# KiCad board mtt_final.kicad_pcb
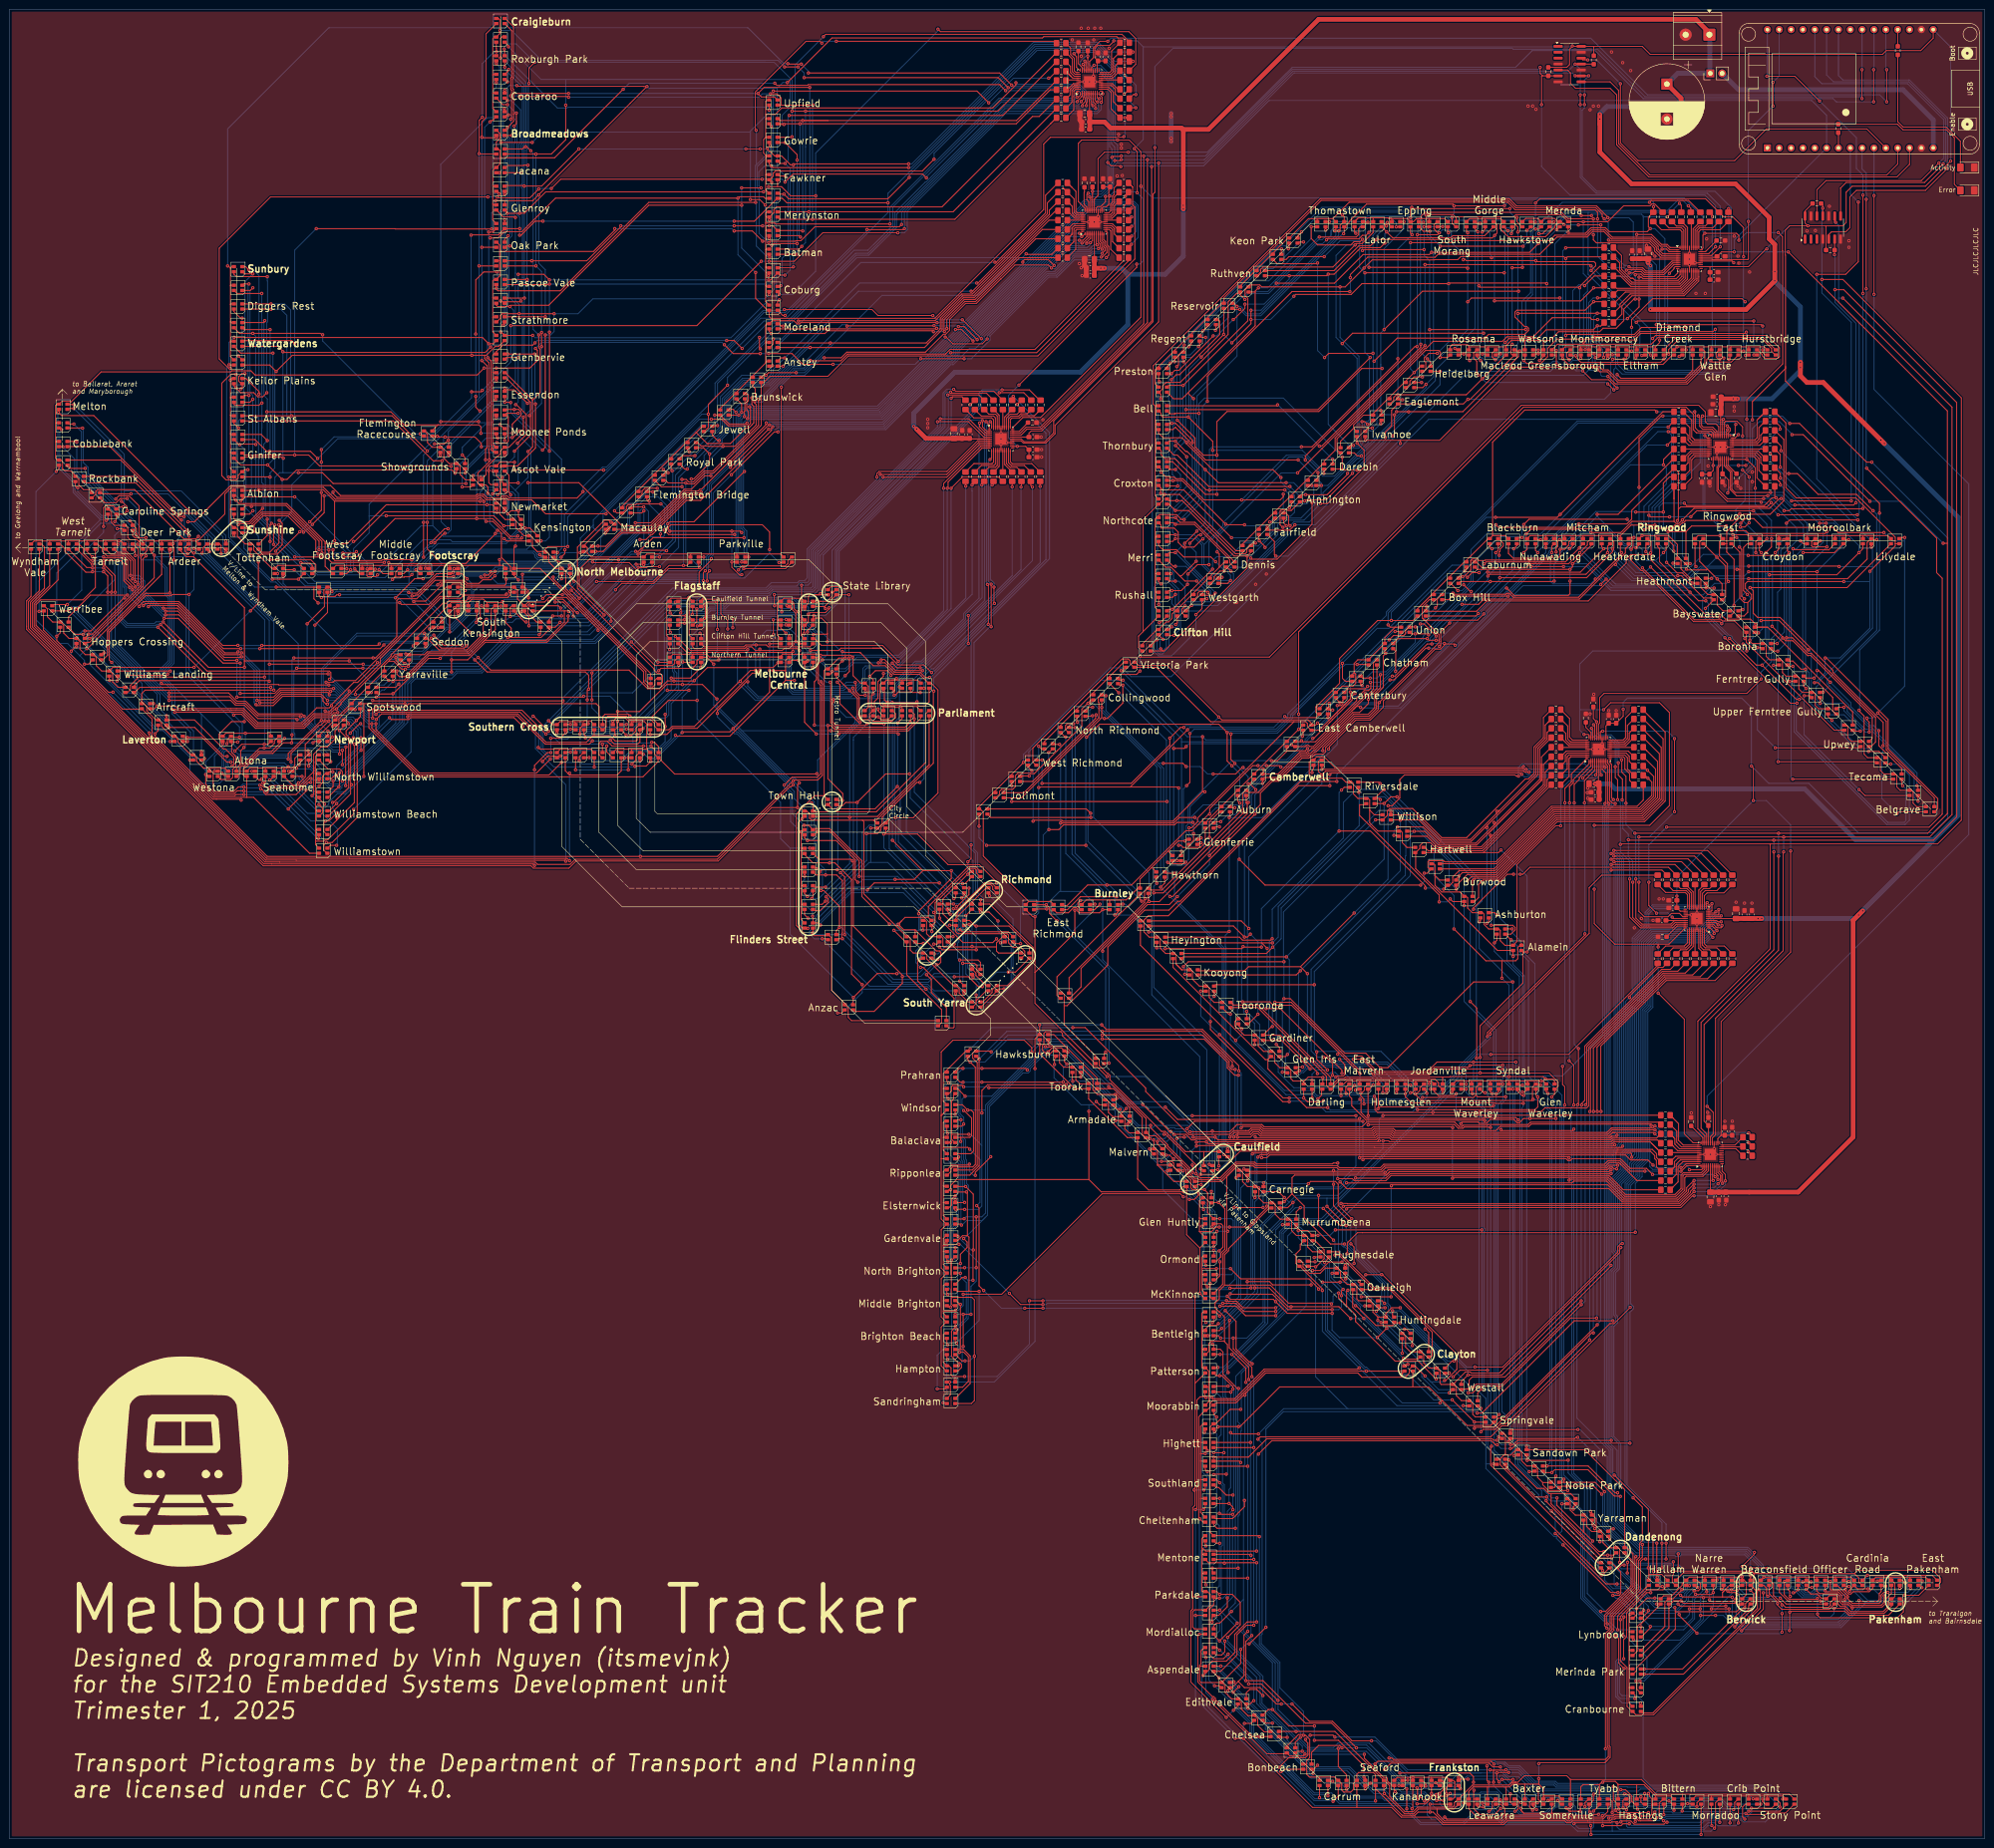
[diagram p0: board, top side]
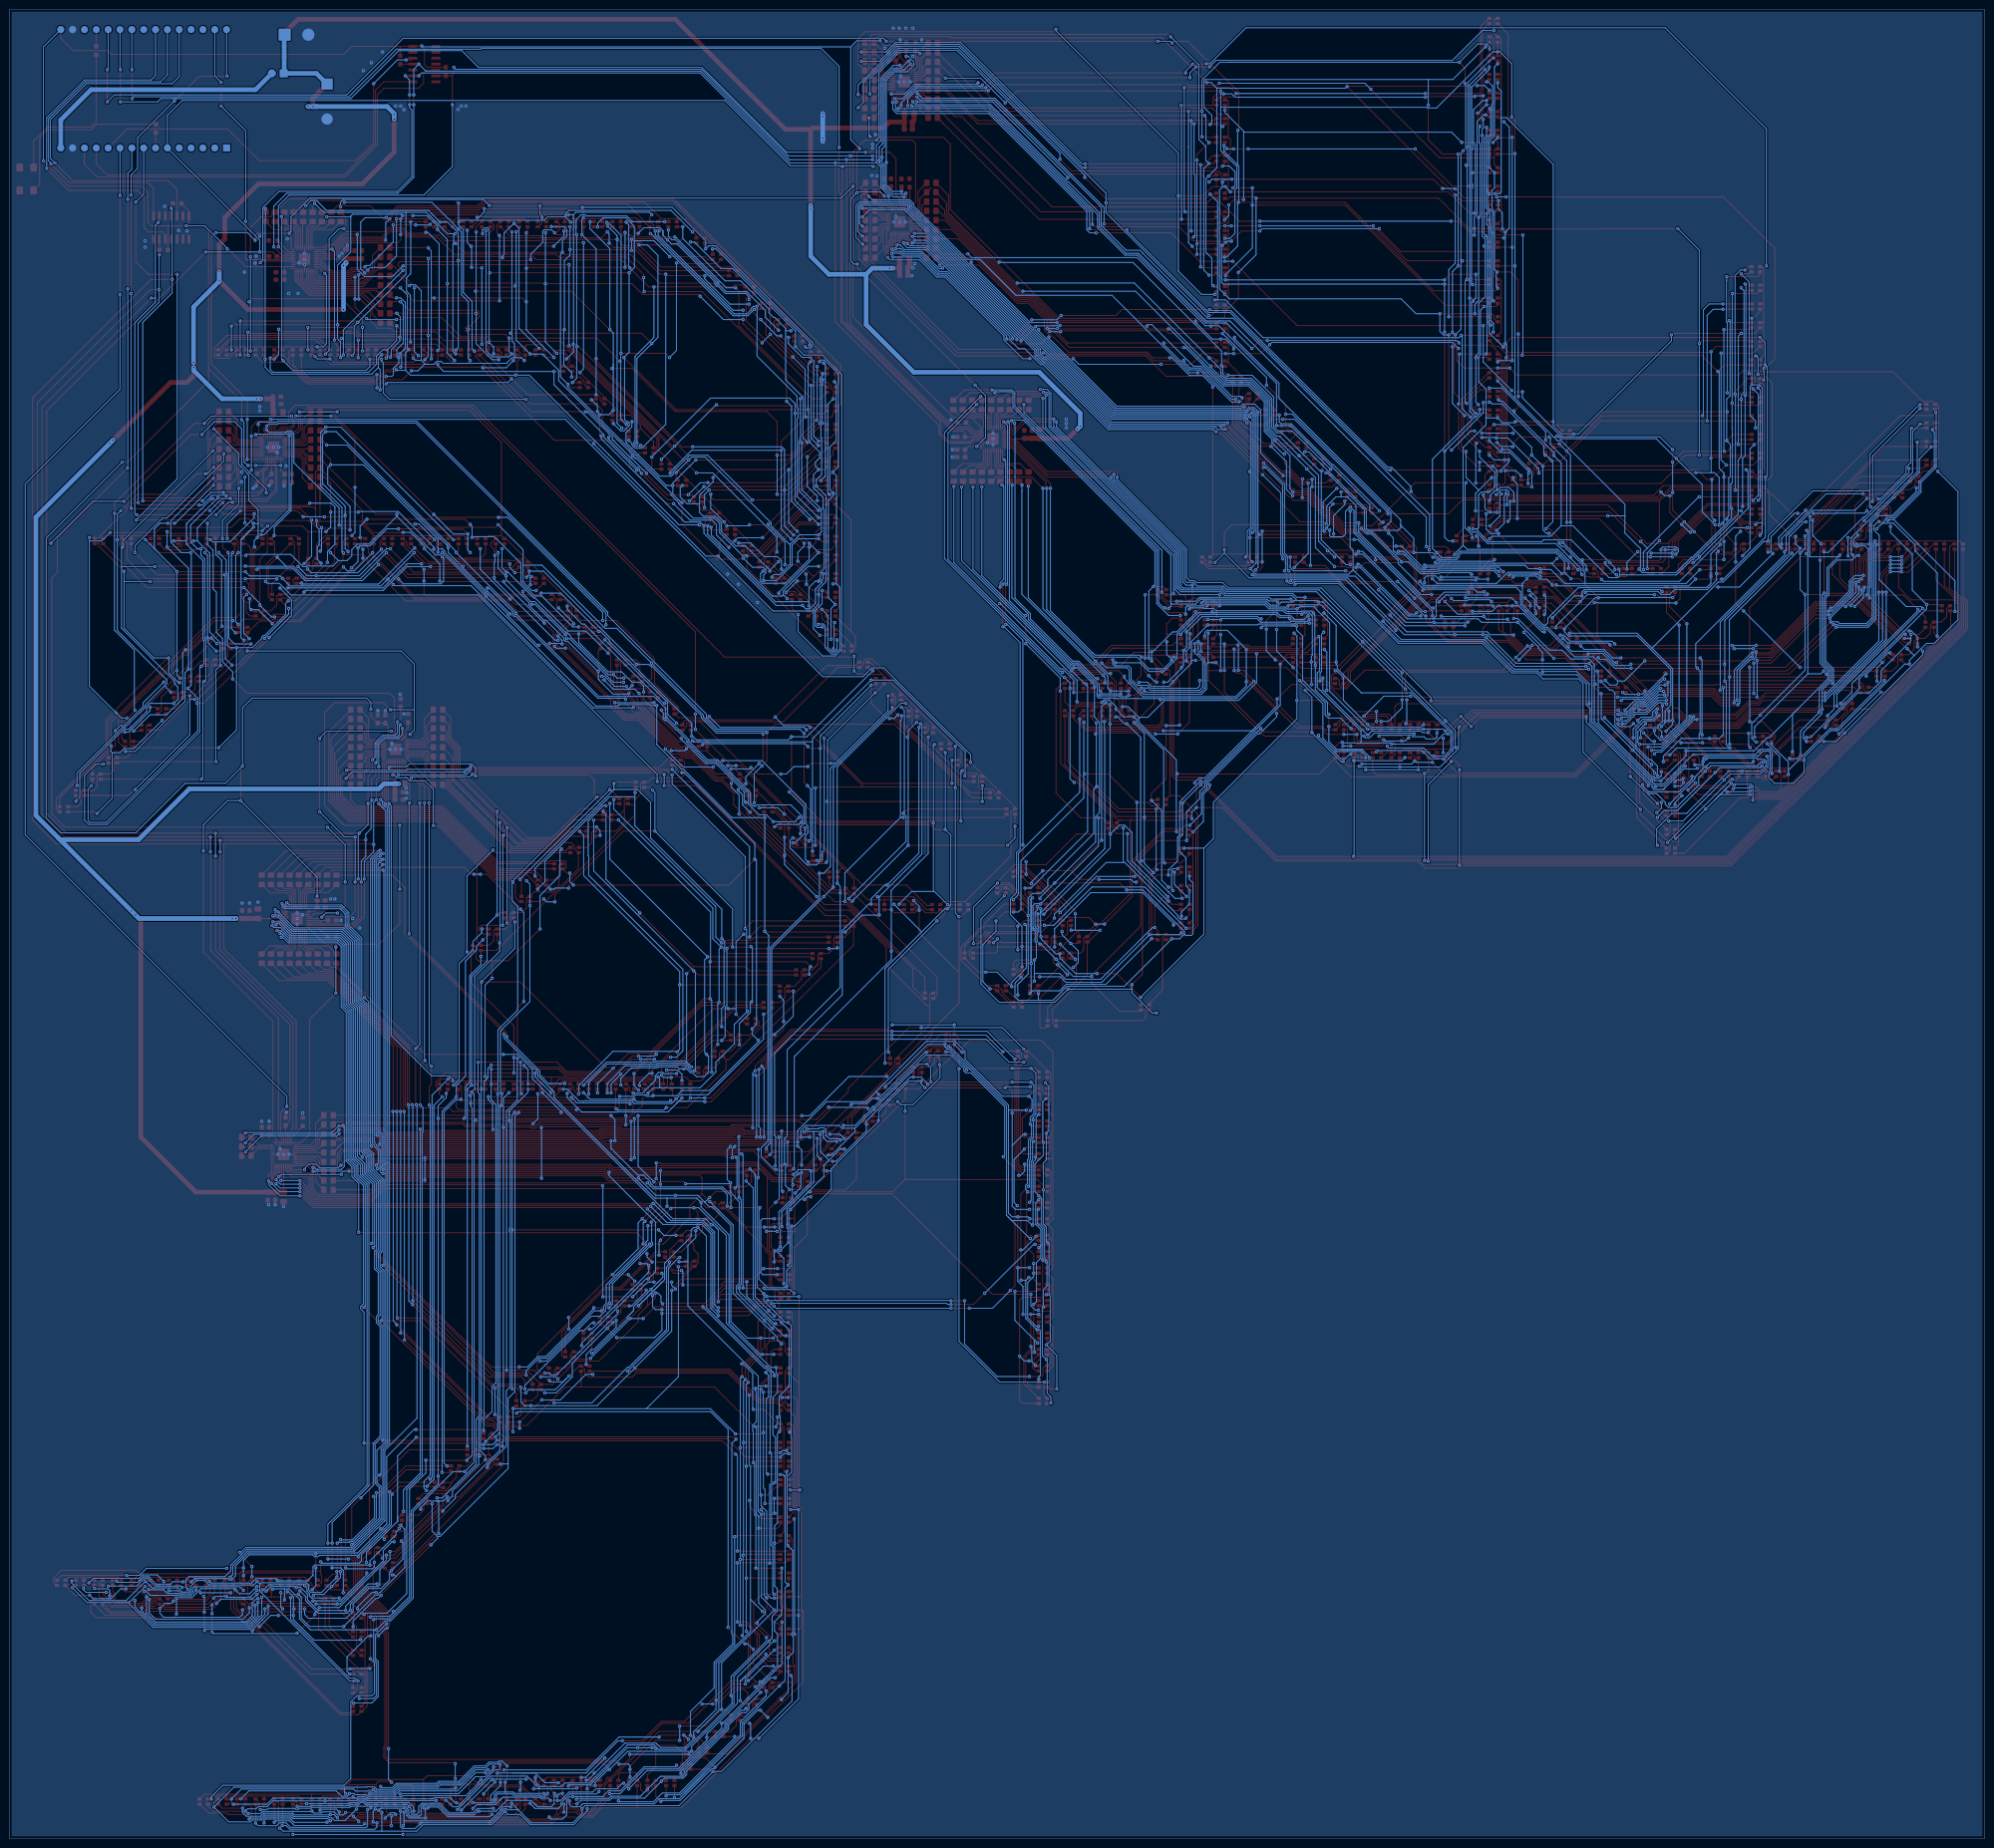
[diagram p1: board, bottom side, seen from below]

Outline 423.5 x 392.45 mm; copper layers: Top, Bottom. Coordinates in mm from the lower left corner of the outline.
Outline path: rectangle 0,392.45 423.5,0
Stack: Top 0.035mm / dielectric 1.51mm FR4 er 4.5 / Bottom 0.035mm

## Placement (name value [footprint] x y rotation side)
C1  0.1uF  [C_0603_1608Metric_Pad1.08x0.95mm_HandSolder]  231.21 384.4 270 top
C2  10uF  [C_0805_2012Metric_Pad1.18x1.45mm_HandSolder]  230.55 370.09 0 top
C3  1uF  [C_0603_1608Metric_Pad1.08x0.95mm_HandSolder]  230.75 366.69 0 top
C4  0.1uF  [C_0603_1608Metric_Pad1.08x0.95mm_HandSolder]  230.77 368.29 0 top
C5  1uF  [C_0603_1608Metric_Pad1.08x0.95mm_HandSolder]  235.01 382.25 270 top
C6  0.1uF  [C_0603_1608Metric_Pad1.08x0.95mm_HandSolder]  233.41 382.25 270 top
C7  10uF  [C_0805_2012Metric_Pad1.18x1.45mm_HandSolder]  202.5 301.44 270 top
C8  1uF  [C_0603_1608Metric_Pad1.08x0.95mm_HandSolder]  204.3 301.26 270 top
C9  0.1uF  [C_0603_1608Metric_Pad1.08x0.95mm_HandSolder]  205.9 301.26 270 top
C10  1uF  [C_0603_1608Metric_Pad1.08x0.95mm_HandSolder]  219.46 296.38 180 top
C11  0.1uF  [C_0603_1608Metric_Pad1.08x0.95mm_HandSolder]  219.46 297.99 180 top
C12  0.1uF  [C_0603_1608Metric_Pad1.08x0.95mm_HandSolder]  219.46 300.69 180 top
C13  10uF  [C_0805_2012Metric_Pad1.18x1.45mm_HandSolder]  365.86 305.95 0 top
C14  1uF  [C_0603_1608Metric_Pad1.08x0.95mm_HandSolder]  366.09 307.75 0 top
C15  0.1uF  [C_0603_1608Metric_Pad1.08x0.95mm_HandSolder]  366.13 309.35 0 top
C16  1uF  [C_0603_1608Metric_Pad1.08x0.95mm_HandSolder]  362.89 291.86 90 top
C17  0.1uF  [C_0603_1608Metric_Pad1.08x0.95mm_HandSolder]  364.49 291.86 90 top
C18  0.1uF  [C_0603_1608Metric_Pad1.08x0.95mm_HandSolder]  367.29 291.92 90 top
C19  10uF  [C_0805_2012Metric_Pad1.18x1.45mm_HandSolder]  231.58 338.81 0 top
C20  1uF  [C_0603_1608Metric_Pad1.08x0.95mm_HandSolder]  231.76 336.91 0 top
C21  0.1uF  [C_0603_1608Metric_Pad1.08x0.95mm_HandSolder]  231.76 335.31 0 top
C22  1uF  [C_0603_1608Metric_Pad1.08x0.95mm_HandSolder]  234.5 355.24 270 top
C23  0.1uF  [C_0603_1608Metric_Pad1.08x0.95mm_HandSolder]  236 355.24 270 top
C24  0.1uF  [C_0603_1608Metric_Pad1.08x0.95mm_HandSolder]  232.22 355.2 270 top
C25  10uF  [C_0805_2012Metric_Pad1.18x1.45mm_HandSolder]  351.32 339.99 270 top
C26  1uF  [C_0603_1608Metric_Pad1.08x0.95mm_HandSolder]  347.92 339.81 270 top
C27  0.1uF  [C_0603_1608Metric_Pad1.08x0.95mm_HandSolder]  349.52 339.81 270 top
C28  1uF  [C_0603_1608Metric_Pad1.08x0.95mm_HandSolder]  365.48 334.45 180 top
C29  0.1uF  [C_0603_1608Metric_Pad1.08x0.95mm_HandSolder]  365.48 336.05 180 top
C30  0.1uF  [C_0603_1608Metric_Pad1.08x0.95mm_HandSolder]  366.98 339.45 180 top
C31  10uF  [C_0805_2012Metric_Pad1.18x1.45mm_HandSolder]  339.71 226.3 0 top
C32  1uF  [C_0603_1608Metric_Pad1.08x0.95mm_HandSolder]  339.99 222.9 0 top
C33  0.1uF  [C_0603_1608Metric_Pad1.08x0.95mm_HandSolder]  339.95 224.5 0 top
C34  1uF  [C_0603_1608Metric_Pad1.08x0.95mm_HandSolder]  342.9 240.18 270 top
C35  0.1uF  [C_0603_1608Metric_Pad1.08x0.95mm_HandSolder]  344.5 240.18 270 top
C36  0.1uF  [C_0603_1608Metric_Pad1.08x0.95mm_HandSolder]  339.6 243.65 270 top
C37  10uF  [C_0805_2012Metric_Pad1.18x1.45mm_HandSolder]  370.2 198.44 270 top
C38  1uF  [C_0603_1608Metric_Pad1.08x0.95mm_HandSolder]  372 198.26 270 top
C39  0.1uF  [C_0603_1608Metric_Pad1.08x0.95mm_HandSolder]  373.6 198.26 270 top
C40  1uF  [C_0603_1608Metric_Pad1.08x0.95mm_HandSolder]  356.64 199.7 0 top
C41  0.1uF  [C_0603_1608Metric_Pad1.08x0.95mm_HandSolder]  356.64 201.3 0 top
C42  0.1uF  [C_0603_1608Metric_Pad1.08x0.95mm_HandSolder]  354.3 197 0 top
C43  10uF  [C_0805_2012Metric_Pad1.18x1.45mm_HandSolder]  364.7 137.66 90 top
C44  1uF  [C_0603_1608Metric_Pad1.08x0.95mm_HandSolder]  366.5 137.84 90 top
C45  0.1uF  [C_0603_1608Metric_Pad1.08x0.95mm_HandSolder]  368.1 137.84 90 top
C46  1uF  [C_0603_1608Metric_Pad1.08x0.95mm_HandSolder]  367.77 151.76 270 top
C47  0.1uF  [C_0603_1608Metric_Pad1.08x0.95mm_HandSolder]  369.37 151.76 270 top
C48  0.1uF  [C_0603_1608Metric_Pad1.08x0.95mm_HandSolder]  364.27 153.86 270 top
C49  2200uF  [CP_Radial_D16.0mm_P7.50mm]  355.38 376.41 270 top
D1  NH-B2020RGBA-HF  [LED_RGB_Foshan-2020]  105.3 389.95 0 top
D2  NH-B2020RGBA-HF  [LED_RGB_Foshan-2020]  105.3 385.95 0 top
D3  NH-B2020RGBA-HF  [LED_RGB_Foshan-2020]  105.3 381.95 0 top
D4  NH-B2020RGBA-HF  [LED_RGB_Foshan-2020]  105.3 377.95 0 top
D5  NH-B2020RGBA-HF  [LED_RGB_Foshan-2020]  105.3 373.95 0 top
D6  NH-B2020RGBA-HF  [LED_RGB_Foshan-2020]  105.3 369.95 0 top
D7  NH-B2020RGBA-HF  [LED_RGB_Foshan-2020]  105.3 365.95 0 top
D8  NH-B2020RGBA-HF  [LED_RGB_Foshan-2020]  105.3 361.95 0 top
D9  NH-B2020RGBA-HF  [LED_RGB_Foshan-2020]  105.3 357.95 0 top
D10  NH-B2020RGBA-HF  [LED_RGB_Foshan-2020]  105.3 353.95 0 top
D11  NH-B2020RGBA-HF  [LED_RGB_Foshan-2020]  105.3 349.95 0 top
D12  NH-B2020RGBA-HF  [LED_RGB_Foshan-2020]  105.3 345.95 0 top
D13  NH-B2020RGBA-HF  [LED_RGB_Foshan-2020]  105.3 341.95 0 top
D14  NH-B2020RGBA-HF  [LED_RGB_Foshan-2020]  105.3 337.95 0 top
D15  NH-B2020RGBA-HF  [LED_RGB_Foshan-2020]  105.3 333.95 0 top
D16  NH-B2020RGBA-HF  [LED_RGB_Foshan-2020]  105.3 329.95 0 top
D17  NH-B2020RGBA-HF  [LED_RGB_Foshan-2020]  105.3 325.95 0 top
D18  NH-B2020RGBA-HF  [LED_RGB_Foshan-2020]  105.3 321.95 0 top
D19  NH-B2020RGBA-HF  [LED_RGB_Foshan-2020]  105.3 317.95 0 top
D20  NH-B2020RGBA-HF  [LED_RGB_Foshan-2020]  105.3 313.95 0 top
D21  NH-B2020RGBA-HF  [LED_RGB_Foshan-2020]  105.3 309.95 0 top
D22  NH-B2020RGBA-HF  [LED_RGB_Foshan-2020]  105.3 305.95 0 top
D23  NH-B2020RGBA-HF  [LED_RGB_Foshan-2020]  105.3 301.95 0 top
D24  NH-B2020RGBA-HF  [LED_RGB_Foshan-2020]  105.3 297.95 0 top
D25  NH-B2020RGBA-HF  [LED_RGB_Foshan-2020]  105.3 293.95 0 top
D26  NH-B2020RGBA-HF  [LED_RGB_Foshan-2020]  105.3 289.95 0 top
D27  NH-B2020RGBA-HF  [LED_RGB_Foshan-2020]  93.3 297.95 0 top
D28  NH-B2020RGBA-HF  [LED_RGB_Foshan-2020]  89.8 301.45 0 top
D29  NH-B2020RGBA-HF  [LED_RGB_Foshan-2020]  96.8 294.45 0 top
D30  NH-B2020RGBA-HF  [LED_RGB_Foshan-2020]  100.3 290.95 0 top
D31  NH-B2020RGBA-HF  [LED_RGB_Foshan-2020]  105.3 285.95 0 top
D32  NH-B2020RGBA-HF  [LED_RGB_Foshan-2020]  108.8 282.45 0 top
D33  NH-B2020RGBA-HF  [LED_RGB_Foshan-2020]  112.3 278.95 0 top
D34  NH-B2020RGBA-HF  [LED_RGB_Foshan-2020]  115.8 275.45 0 top
D35  NH-B2020RGBA-HF  [LED_RGB_Foshan-2020]  119.3 271.95 0 top
D36  NH-B2020RGBA-HF  [LED_RGB_Foshan-2020]  138.4 248.35 0 top
D37  NH-B2020RGBA-HF  [LED_RGB_Foshan-2020]  49.05 336.7 0 top
D38  NH-B2020RGBA-HF  [LED_RGB_Foshan-2020]  49.05 332.7 0 top
D39  NH-B2020RGBA-HF  [LED_RGB_Foshan-2020]  49.05 328.7 0 top
D40  NH-B2020RGBA-HF  [LED_RGB_Foshan-2020]  49.05 324.7 0 top
D41  NH-B2020RGBA-HF  [LED_RGB_Foshan-2020]  49.05 320.7 0 top
D42  NH-B2020RGBA-HF  [LED_RGB_Foshan-2020]  49.05 316.7 0 top
D43  NH-B2020RGBA-HF  [LED_RGB_Foshan-2020]  49.05 312.7 0 top
D44  NH-B2020RGBA-HF  [LED_RGB_Foshan-2020]  49.05 308.7 0 top
D45  NH-B2020RGBA-HF  [LED_RGB_Foshan-2020]  49.05 304.7 0 top
D46  NH-B2020RGBA-HF  [LED_RGB_Foshan-2020]  49.05 300.7 0 top
D47  NH-B2020RGBA-HF  [LED_RGB_Foshan-2020]  49.05 296.7 0 top
D48  NH-B2020RGBA-HF  [LED_RGB_Foshan-2020]  49.05 292.7 0 top
D49  NH-B2020RGBA-HF  [LED_RGB_Foshan-2020]  49.05 288.7 0 top
D50  NH-B2020RGBA-HF  [LED_RGB_Foshan-2020]  49.05 284.7 0 top
D51  NH-B2020RGBA-HF  [LED_RGB_Foshan-2020]  49.05 280.7 0 top
D52  NH-B2020RGBA-HF  [LED_RGB_Foshan-2020]  52.55 277.2 0 top
D53  NH-B2020RGBA-HF  [LED_RGB_Foshan-2020]  57.8 271.95 0 top
D54  NH-B2020RGBA-HF  [LED_RGB_Foshan-2020]  64.05 271.95 0 top
D55  NH-B2020RGBA-HF  [LED_RGB_Foshan-2020]  70.3 271.95 0 top
D56  NH-B2020RGBA-HF  [LED_RGB_Foshan-2020]  76.55 271.95 0 top
D57  NH-B2020RGBA-HF  [LED_RGB_Foshan-2020]  82.8 271.95 0 top
D58  NH-B2020RGBA-HF  [LED_RGB_Foshan-2020]  89.05 271.95 0 top
D59  NH-B2020RGBA-HF  [LED_RGB_Foshan-2020]  95.3 271.95 0 top
D60  NH-B2020RGBA-HF  [LED_RGB_Foshan-2020]  107.3 271.95 0 top
D61  NH-B2020RGBA-HF  [LED_RGB_Foshan-2020]  163.8 372.45 0 top
D62  NH-B2020RGBA-HF  [LED_RGB_Foshan-2020]  163.8 368.45 0 top
D63  NH-B2020RGBA-HF  [LED_RGB_Foshan-2020]  163.8 364.45 0 top
D64  NH-B2020RGBA-HF  [LED_RGB_Foshan-2020]  163.8 360.45 0 top
D65  NH-B2020RGBA-HF  [LED_RGB_Foshan-2020]  163.8 356.45 0 top
D66  NH-B2020RGBA-HF  [LED_RGB_Foshan-2020]  163.8 352.45 0 top
D67  NH-B2020RGBA-HF  [LED_RGB_Foshan-2020]  163.8 348.45 0 top
D68  NH-B2020RGBA-HF  [LED_RGB_Foshan-2020]  163.8 344.45 0 top
D69  NH-B2020RGBA-HF  [LED_RGB_Foshan-2020]  163.8 340.45 0 top
D70  NH-B2020RGBA-HF  [LED_RGB_Foshan-2020]  163.8 336.45 0 top
D71  NH-B2020RGBA-HF  [LED_RGB_Foshan-2020]  163.8 332.45 0 top
D72  NH-B2020RGBA-HF  [LED_RGB_Foshan-2020]  163.8 328.45 0 top
D73  NH-B2020RGBA-HF  [LED_RGB_Foshan-2020]  163.8 324.45 0 top
D74  NH-B2020RGBA-HF  [LED_RGB_Foshan-2020]  163.8 320.45 0 top
D75  NH-B2020RGBA-HF  [LED_RGB_Foshan-2020]  163.8 316.45 0 top
D76  NH-B2020RGBA-HF  [LED_RGB_Foshan-2020]  160.3 312.95 0 top
D77  NH-B2020RGBA-HF  [LED_RGB_Foshan-2020]  156.8 309.45 0 top
D78  NH-B2020RGBA-HF  [LED_RGB_Foshan-2020]  153.3 305.95 0 top
D79  NH-B2020RGBA-HF  [LED_RGB_Foshan-2020]  149.8 302.45 0 top
D80  NH-B2020RGBA-HF  [LED_RGB_Foshan-2020]  146.3 298.95 0 top
D81  NH-B2020RGBA-HF  [LED_RGB_Foshan-2020]  142.8 295.45 0 top
D82  NH-B2020RGBA-HF  [LED_RGB_Foshan-2020]  139.3 291.95 0 top
D83  NH-B2020RGBA-HF  [LED_RGB_Foshan-2020]  135.8 288.45 0 top
D84  NH-B2020RGBA-HF  [LED_RGB_Foshan-2020]  132.3 284.95 0 top
D85  NH-B2020RGBA-HF  [LED_RGB_Foshan-2020]  128.8 281.45 0 top
D86  NH-B2020RGBA-HF  [LED_RGB_Foshan-2020]  124.05 276.7 0 top
D87  NH-B2020RGBA-HF  [LED_RGB_Foshan-2020]  136.9 274.4 0 top
D88  NH-B2020RGBA-HF  [LED_RGB_Foshan-2020]  146.9 274.4 0 top
D89  NH-B2020RGBA-HF  [LED_RGB_Foshan-2020]  156.9 274.4 0 top
D90  NH-B2020RGBA-HF  [LED_RGB_Foshan-2020]  166.9 274.4 0 top
D91  NH-B2020RGBA-HF  [LED_RGB_Foshan-2020]  8.3 263.95 0 top
D92  NH-B2020RGBA-HF  [LED_RGB_Foshan-2020]  11.8 260.45 0 top
D93  NH-B2020RGBA-HF  [LED_RGB_Foshan-2020]  15.3 256.95 0 top
D94  NH-B2020RGBA-HF  [LED_RGB_Foshan-2020]  18.8 253.45 0 top
D95  NH-B2020RGBA-HF  [LED_RGB_Foshan-2020]  22.3 249.95 0 top
D96  NH-B2020RGBA-HF  [LED_RGB_Foshan-2020]  25.8 246.45 0 top
D97  NH-B2020RGBA-HF  [LED_RGB_Foshan-2020]  29.3 242.95 0 top
D98  NH-B2020RGBA-HF  [LED_RGB_Foshan-2020]  32.8 239.45 0 top
D99  NH-B2020RGBA-HF  [LED_RGB_Foshan-2020]  36.3 235.95 0 top
D100  NH-B2020RGBA-HF  [LED_RGB_Foshan-2020]  40.3 231.95 0 top
D101  NH-B2020RGBA-HF  [LED_RGB_Foshan-2020]  43.8 228.45 0 top
D102  NH-B2020RGBA-HF  [LED_RGB_Foshan-2020]  47.8 228.45 0 top
D103  NH-B2020RGBA-HF  [LED_RGB_Foshan-2020]  51.8 228.45 0 top
D104  NH-B2020RGBA-HF  [LED_RGB_Foshan-2020]  55.8 228.45 0 top
D105  NH-B2020RGBA-HF  [LED_RGB_Foshan-2020]  59.8 228.45 0 top
D106  NH-B2020RGBA-HF  [LED_RGB_Foshan-2020]  63.3 231.95 0 top
D107  NH-B2020RGBA-HF  [LED_RGB_Foshan-2020]  46.63 235.95 0 top
D108  NH-B2020RGBA-HF  [LED_RGB_Foshan-2020]  56.97 235.95 0 top
D109  NH-B2020RGBA-HF  [LED_RGB_Foshan-2020]  67.3 211.95 0 top
D110  NH-B2020RGBA-HF  [LED_RGB_Foshan-2020]  67.3 215.95 0 top
D111  NH-B2020RGBA-HF  [LED_RGB_Foshan-2020]  67.3 219.95 0 top
D112  NH-B2020RGBA-HF  [LED_RGB_Foshan-2020]  67.3 223.95 0 top
D113  NH-B2020RGBA-HF  [LED_RGB_Foshan-2020]  67.3 227.95 0 top
D114  NH-B2020RGBA-HF  [LED_RGB_Foshan-2020]  67.3 231.95 0 top
D115  NH-B2020RGBA-HF  [LED_RGB_Foshan-2020]  67.3 235.95 0 top
D116  NH-B2020RGBA-HF  [LED_RGB_Foshan-2020]  70.8 239.45 0 top
D117  NH-B2020RGBA-HF  [LED_RGB_Foshan-2020]  74.3 242.95 0 top
D118  NH-B2020RGBA-HF  [LED_RGB_Foshan-2020]  77.8 246.45 0 top
D119  NH-B2020RGBA-HF  [LED_RGB_Foshan-2020]  81.3 249.95 0 top
D120  NH-B2020RGBA-HF  [LED_RGB_Foshan-2020]  84.8 253.45 0 top
D121  NH-B2020RGBA-HF  [LED_RGB_Foshan-2020]  88.3 256.95 0 top
D122  NH-B2020RGBA-HF  [LED_RGB_Foshan-2020]  91.8 260.45 0 top
D123  NH-B2020RGBA-HF  [LED_RGB_Foshan-2020]  95.3 263.95 0 top
D124  NH-B2020RGBA-HF  [LED_RGB_Foshan-2020]  99.3 263.95 0 top
D125  NH-B2020RGBA-HF  [LED_RGB_Foshan-2020]  103.3 263.95 0 top
D126  NH-B2020RGBA-HF  [LED_RGB_Foshan-2020]  107.3 263.95 0 top
D127  NH-B2020RGBA-HF  [LED_RGB_Foshan-2020]  45.55 277.2 0 top
D128  NH-B2020RGBA-HF  [LED_RGB_Foshan-2020]  67.3 267.95 0 top
D129  NH-B2020RGBA-HF  [LED_RGB_Foshan-2020]  95.3 267.95 0 top
D130  NH-B2020RGBA-HF  [LED_RGB_Foshan-2020]  109.1 267.95 0 top
D131  NH-B2020RGBA-HF  [LED_RGB_Foshan-2020]  111.3 263.95 0 top
D132  NH-B2020RGBA-HF  [LED_RGB_Foshan-2020]  114.8 260.45 0 top
D133  NH-B2020RGBA-HF  [LED_RGB_Foshan-2020]  11.55 307.2 0 top
D134  NH-B2020RGBA-HF  [LED_RGB_Foshan-2020]  11.55 303.2 0 top
D135  NH-B2020RGBA-HF  [LED_RGB_Foshan-2020]  11.55 299.2 0 top
D136  NH-B2020RGBA-HF  [LED_RGB_Foshan-2020]  11.55 295.2 0 top
D137  NH-B2020RGBA-HF  [LED_RGB_Foshan-2020]  15.05 291.7 0 top
D138  NH-B2020RGBA-HF  [LED_RGB_Foshan-2020]  18.55 288.2 0 top
D139  NH-B2020RGBA-HF  [LED_RGB_Foshan-2020]  22.05 284.7 0 top
D140  NH-B2020RGBA-HF  [LED_RGB_Foshan-2020]  25.55 281.2 0 top
D141  NH-B2020RGBA-HF  [LED_RGB_Foshan-2020]  29.55 277.2 0 top
D142  NH-B2020RGBA-HF  [LED_RGB_Foshan-2020]  33.55 277.2 0 top
D143  NH-B2020RGBA-HF  [LED_RGB_Foshan-2020]  37.55 277.2 0 top
D144  NH-B2020RGBA-HF  [LED_RGB_Foshan-2020]  41.55 277.2 0 top
D145  NH-B2020RGBA-HF  [LED_RGB_Foshan-2020]  5.55 277.2 0 top
D146  NH-B2020RGBA-HF  [LED_RGB_Foshan-2020]  9.55 277.2 0 top
D147  NH-B2020RGBA-HF  [LED_RGB_Foshan-2020]  13.55 277.2 0 top
D148  NH-B2020RGBA-HF  [LED_RGB_Foshan-2020]  17.55 277.2 0 top
D149  NH-B2020RGBA-HF  [LED_RGB_Foshan-2020]  21.55 277.2 0 top
D150  NH-B2020RGBA-HF  [LED_RGB_Foshan-2020]  25.55 277.2 0 top
D151  NH-B2020RGBA-HF  [LED_RGB_Foshan-2020]  118.3 238.45 0 top
D152  NH-B2020RGBA-HF  [LED_RGB_Foshan-2020]  118.3 232.45 0 top
D153  NH-B2020RGBA-HF  [LED_RGB_Foshan-2020]  122.3 238.45 0 top
D154  NH-B2020RGBA-HF  [LED_RGB_Foshan-2020]  122.3 232.45 0 top
D155  NH-B2020RGBA-HF  [LED_RGB_Foshan-2020]  126.3 238.45 0 top
D156  NH-B2020RGBA-HF  [LED_RGB_Foshan-2020]  126.3 232.45 0 top
D157  NH-B2020RGBA-HF  [LED_RGB_Foshan-2020]  130.3 238.45 0 top
D158  NH-B2020RGBA-HF  [LED_RGB_Foshan-2020]  130.3 232.45 0 top
D159  NH-B2020RGBA-HF  [LED_RGB_Foshan-2020]  134.3 238.45 0 top
D160  NH-B2020RGBA-HF  [LED_RGB_Foshan-2020]  134.3 232.45 0 top
D161  NH-B2020RGBA-HF  [LED_RGB_Foshan-2020]  138.3 238.45 0 top
D162  NH-B2020RGBA-HF  [LED_RGB_Foshan-2020]  138.3 232.45 0 top
D163  NH-B2020RGBA-HF  [LED_RGB_Foshan-2020]  147.4 264.9 0 top
D164  NH-B2020RGBA-HF  [LED_RGB_Foshan-2020]  142.5 264.9 0 top
D165  NH-B2020RGBA-HF  [LED_RGB_Foshan-2020]  147.4 260.9 0 top
D166  NH-B2020RGBA-HF  [LED_RGB_Foshan-2020]  142.5 260.9 0 top
D167  NH-B2020RGBA-HF  [LED_RGB_Foshan-2020]  147.4 256.9 0 top
D168  NH-B2020RGBA-HF  [LED_RGB_Foshan-2020]  142.5 256.9 0 top
D169  NH-B2020RGBA-HF  [LED_RGB_Foshan-2020]  171.4 264.9 0 top
D170  NH-B2020RGBA-HF  [LED_RGB_Foshan-2020]  166.3 264.9 0 top
D171  NH-B2020RGBA-HF  [LED_RGB_Foshan-2020]  171.4 260.9 0 top
D172  NH-B2020RGBA-HF  [LED_RGB_Foshan-2020]  166.3 260.9 0 top
D173  NH-B2020RGBA-HF  [LED_RGB_Foshan-2020]  171.4 256.9 0 top
D174  NH-B2020RGBA-HF  [LED_RGB_Foshan-2020]  166.3 256.9 0 top
D175  NH-B2020RGBA-HF  [LED_RGB_Foshan-2020]  196.3 241.45 0 top
D176  NH-B2020RGBA-HF  [LED_RGB_Foshan-2020]  196.3 247.35 0 top
D177  NH-B2020RGBA-HF  [LED_RGB_Foshan-2020]  192.3 241.45 0 top
D178  NH-B2020RGBA-HF  [LED_RGB_Foshan-2020]  192.3 247.35 0 top
D179  NH-B2020RGBA-HF  [LED_RGB_Foshan-2020]  188.3 241.45 0 top
D180  NH-B2020RGBA-HF  [LED_RGB_Foshan-2020]  188.3 247.35 0 top
D181  NH-B2020RGBA-HF  [LED_RGB_Foshan-2020]  147.4 252.9 0 top
D182  NH-B2020RGBA-HF  [LED_RGB_Foshan-2020]  142.5 252.9 0 top
D183  NH-B2020RGBA-HF  [LED_RGB_Foshan-2020]  171.4 252.9 0 top
D184  NH-B2020RGBA-HF  [LED_RGB_Foshan-2020]  166.3 252.9 0 top
D185  NH-B2020RGBA-HF  [LED_RGB_Foshan-2020]  184.3 241.45 0 top
D186  NH-B2020RGBA-HF  [LED_RGB_Foshan-2020]  184.3 247.35 0 top
D187  NH-B2020RGBA-HF  [LED_RGB_Foshan-2020]  176.4 267.4 0 top
D188  NH-B2020RGBA-HF  [LED_RGB_Foshan-2020]  176.4 250.4 0 top
D189  NH-B2020RGBA-HF  [LED_RGB_Foshan-2020]  176.4 222.4 0 top
D190  NH-B2020RGBA-HF  [LED_RGB_Foshan-2020]  176.4 193.4 0 top
D191  NH-B2020RGBA-HF  [LED_RGB_Foshan-2020]  180 178.35 0 top
D192  NH-B2020RGBA-HF  [LED_RGB_Foshan-2020]  200 174.95 0 top
D193  NH-B2020RGBA-HF  [LED_RGB_Foshan-2020]  171.4 195.9 0 top
D194  NH-B2020RGBA-HF  [LED_RGB_Foshan-2020]  171.4 199.9 0 top
D195  NH-B2020RGBA-HF  [LED_RGB_Foshan-2020]  171.4 203.9 0 top
D196  NH-B2020RGBA-HF  [LED_RGB_Foshan-2020]  171.4 207.9 0 top
D197  NH-B2020RGBA-HF  [LED_RGB_Foshan-2020]  171.4 211.9 0 top
D198  NH-B2020RGBA-HF  [LED_RGB_Foshan-2020]  171.4 215.9 0 top
D199  NH-B2020RGBA-HF  [LED_RGB_Foshan-2020]  171.4 219.9 0 top
D200  NH-B2020RGBA-HF  [LED_RGB_Foshan-2020]  187 217.35 0 top
D201  NH-B2020RGBA-HF  [LED_RGB_Foshan-2020]  207.3 178.95 0 top
D202  NH-B2020RGBA-HF  [LED_RGB_Foshan-2020]  203.8 182.45 0 top
D203  NH-B2020RGBA-HF  [LED_RGB_Foshan-2020]  196.8 189.45 0 top
D204  NH-B2020RGBA-HF  [LED_RGB_Foshan-2020]  193.3 192.95 0 top
D205  NH-B2020RGBA-HF  [LED_RGB_Foshan-2020]  217.8 189.45 0 top
D206  NH-B2020RGBA-HF  [LED_RGB_Foshan-2020]  214.3 192.95 0 top
D207  NH-B2020RGBA-HF  [LED_RGB_Foshan-2020]  210.8 182.45 0 top
D208  NH-B2020RGBA-HF  [LED_RGB_Foshan-2020]  207.3 185.95 0 top
D209  NH-B2020RGBA-HF  [LED_RGB_Foshan-2020]  200.3 192.95 0 top
D210  NH-B2020RGBA-HF  [LED_RGB_Foshan-2020]  196.8 196.45 0 top
D211  NH-B2020RGBA-HF  [LED_RGB_Foshan-2020]  203.8 196.45 0 top
D212  NH-B2020RGBA-HF  [LED_RGB_Foshan-2020]  200.3 199.95 0 top
D213  NH-B2020RGBA-HF  [LED_RGB_Foshan-2020]  207.3 199.95 0 top
D214  NH-B2020RGBA-HF  [LED_RGB_Foshan-2020]  203.8 203.45 0 top
D215  NH-B2020RGBA-HF  [LED_RGB_Foshan-2020]  210.8 203.45 0 top
D216  NH-B2020RGBA-HF  [LED_RGB_Foshan-2020]  207.3 206.95 0 top
D217  NH-B2020RGBA-HF  [LED_RGB_Foshan-2020]  333.3 346.35 0 top
D218  NH-B2020RGBA-HF  [LED_RGB_Foshan-2020]  329.3 346.35 0 top
D219  NH-B2020RGBA-HF  [LED_RGB_Foshan-2020]  325.3 346.35 0 top